# KiCad board ebaz4205.kicad_pcb (continued)
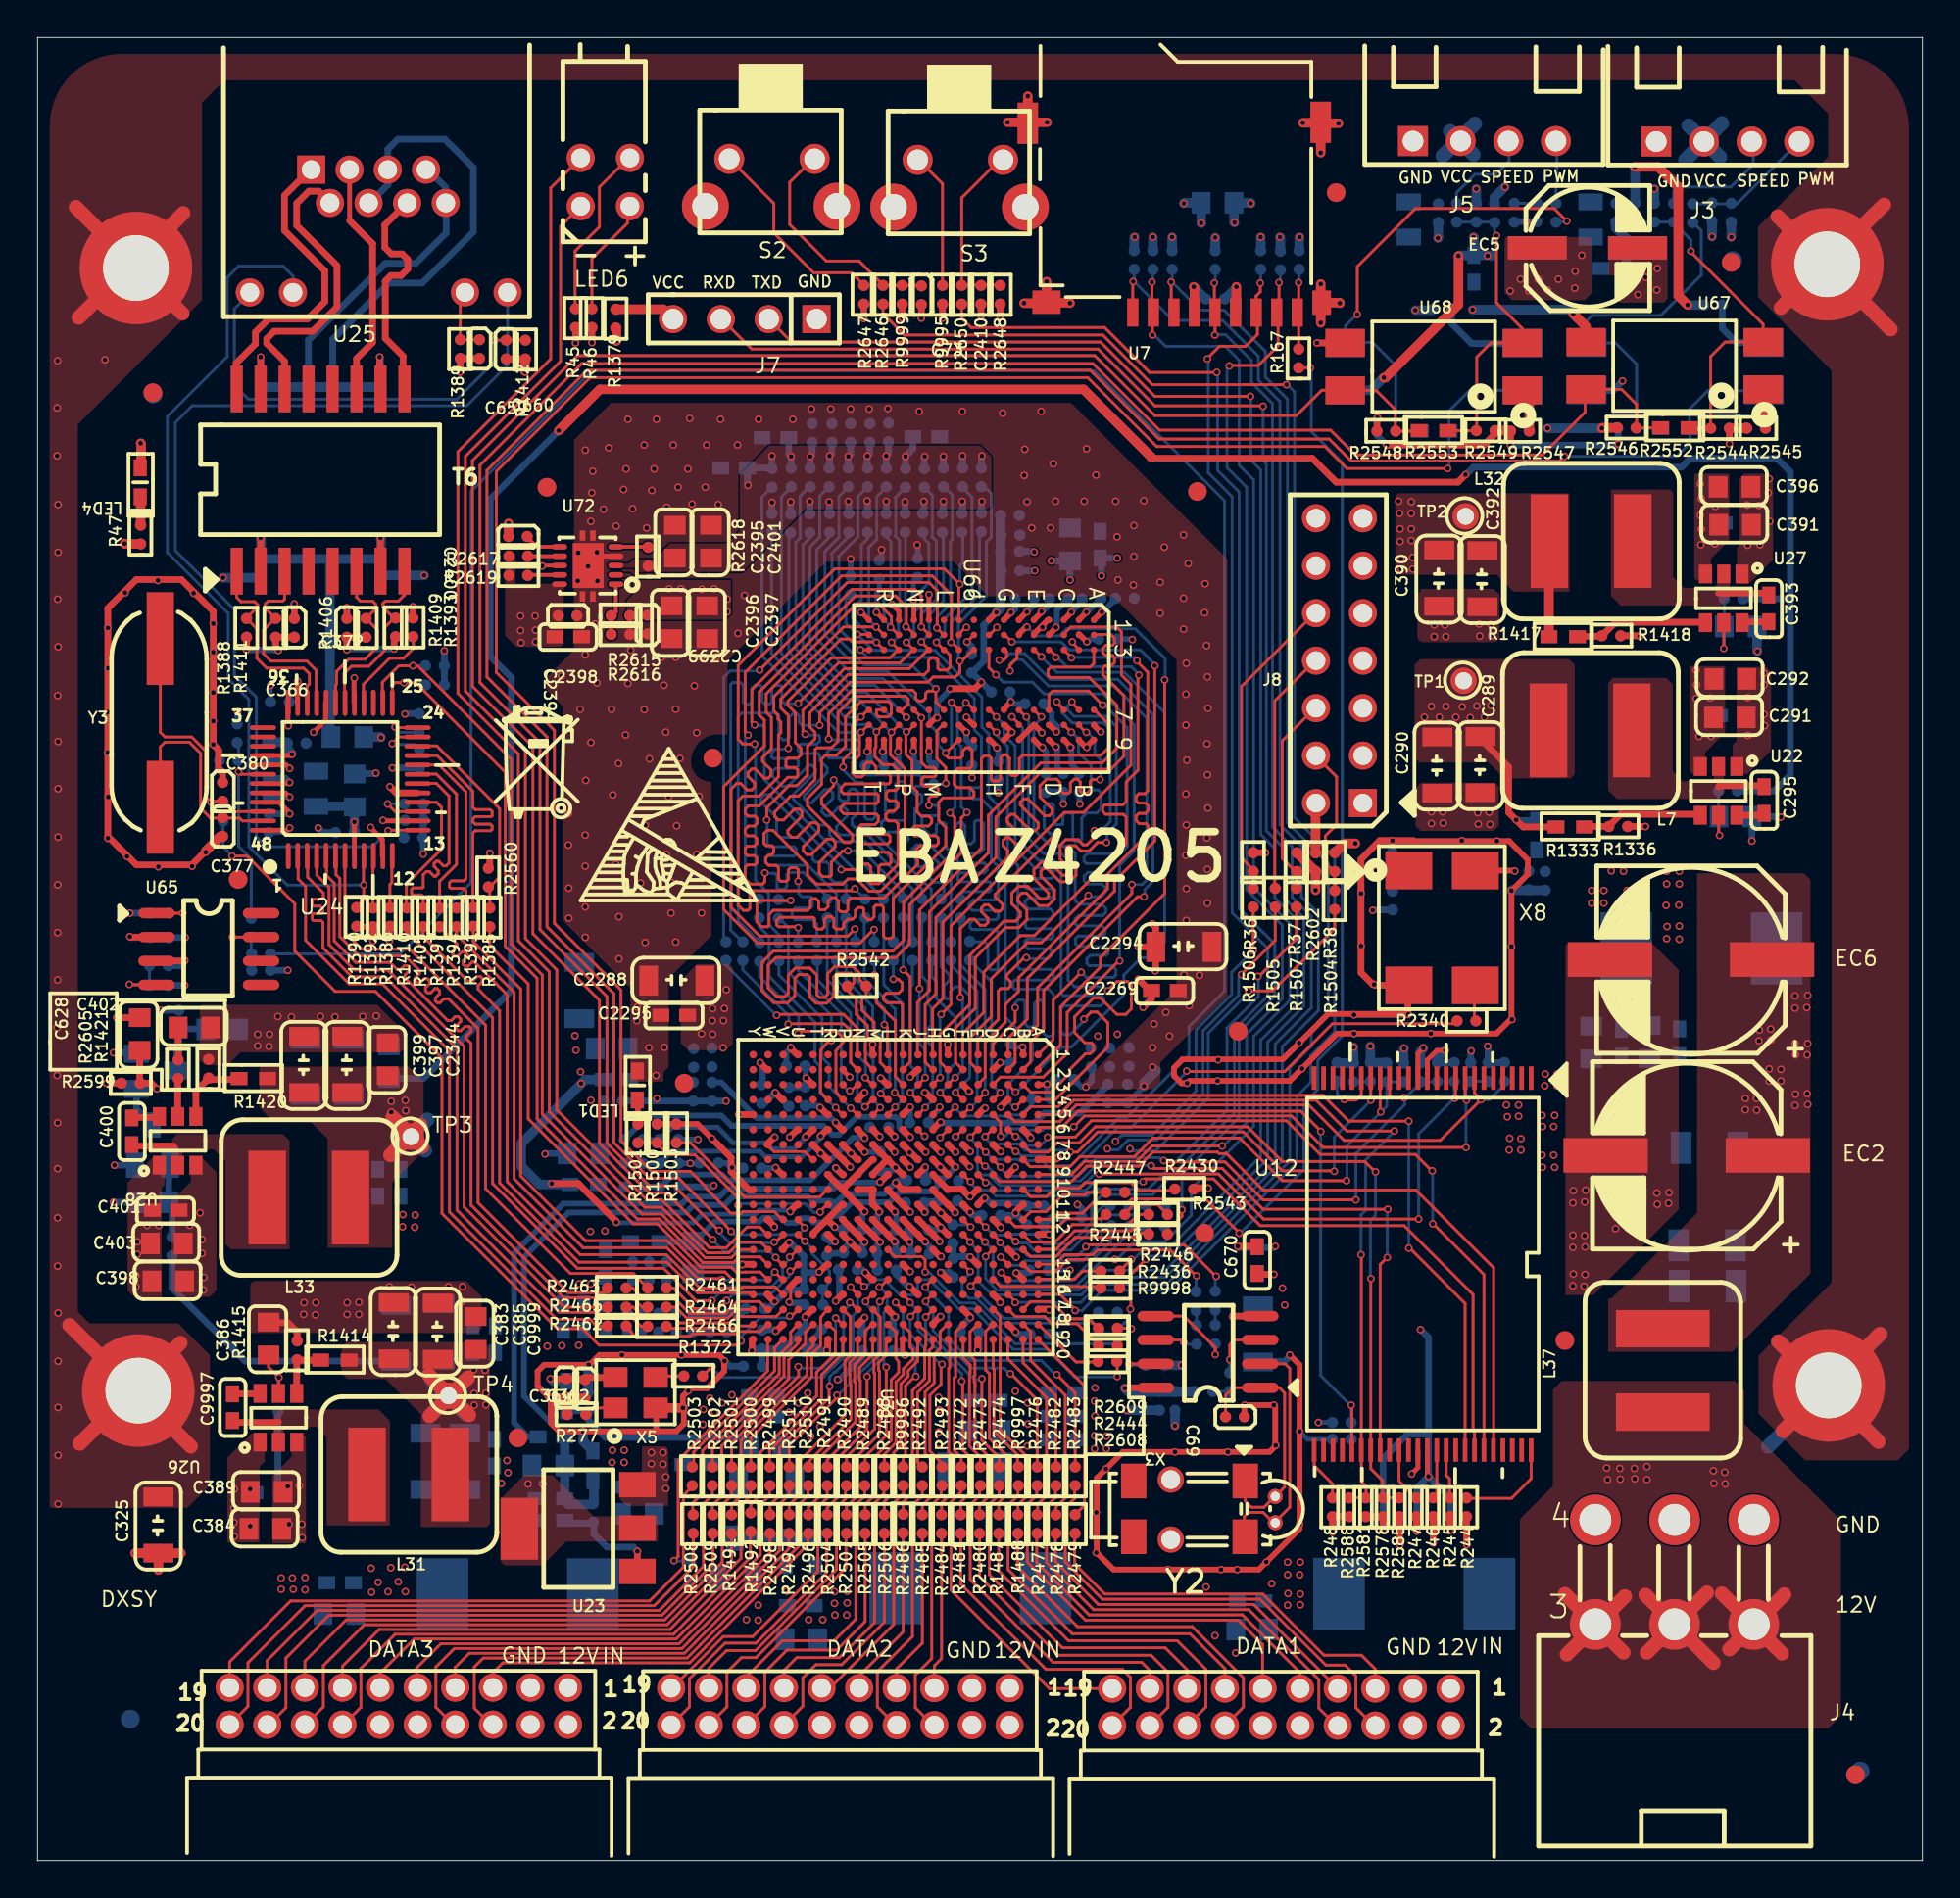
[diagram p0: board, top side]
## Nets (continued)
DDR-DQ8_0: U31.E2 U66.D7
DDR-DQ9_0: U31.E3 U66.C3
DDR-DQ10_0: U31.G3 U66.C8
DDR-DQ11_0: U31.H3 U66.C2
DDR-DQ12_0: U31.J3 U66.A7
DDR-DQ13_0: U31.H2 U66.A2
DDR-DQ14_0: U31.H1 U66.B8
DDR-DQ15_0: U31.J1 U66.A3
DDR-LDM_0: U31.A1 U66.E7
DDR-LDQS#_0: U31.B2 U66.G3
DDR-LDQS_0: U31.C2 U66.F3
DDR-ODT_0: R2513.2 R2642.1 U66.K1
DDR-RAS_0: R2532.2 R2639.1 U66.J3
DDR-RESET_0: R2645.1 U31.B4 U66.T2
DDR-UDM_0: U31.F1 U66.D3
DDR-UDQS#_0: U31.F2 U66.B7
DDR-UDQS_0: U31.G2 U66.C7
DDR-WE_0: R2534.2 R2641.1 U66.L3
IN: C291.1 C292.1 C293.2 C306.1 C307.1 C308.1 C309.1 C310.1 C319.1 C320.1 C321.1 C322.1 C323.1 C384.2 C387.1 C389.2 C391.1 C394.2 C396.1 C398.2 C401.2 C403.2 D21.1 D22.1 D23.1 D24.1 R1413.1 R1482.2 R2599.1 R2800.1 U22.3 U26.3 U27.3 U28.3
LED3_0: R1383.2 U24.13 U25.9
LED.0_0: R1390.2 U24.9 U25.11
MDC_0: R2470.2 U24.25 U31.W15
PS-DDR-A0_0: R2517.1 U31.N2
PS-DDR-A1_0: R2518.1 U31.K2
PS-DDR-A2_0: R2519.1 U31.M3
PS-DDR-A3_0: R2520.1 U31.K3
PS-DDR-A4_0: R2521.1 U31.M4
PS-DDR-A5_0: R2522.1 U31.L1
PS-DDR-A6_0: R2523.1 U31.L4
PS-DDR-A7_0: R2524.1 U31.K4
PS-DDR-A8_0: R2525.1 U31.K1
PS-DDR-A9_0: R2526.1 U31.J4
PS-DDR-A10_0: R2527.1 U31.F5
PS-DDR-A11_0: R2528.1 U31.G4
PS-DDR-A12_0: R2529.1 U31.E4
PS-DDR-A13_0: R2530.1 U31.D4
PS-DDR-A14_0: R2531.1 U31.F4
PS-DDR-BA0_0: R2514.1 U31.L5
PS-DDR-BA1_0: R2515.1 U31.R4
PS-DDR-BA2_0: R2516.1 U31.J5
PS-DDR-CAS_0: R2533.1 U31.P5
PS-DDR-CKE_0: R2536.1 U31.N3
PS-DDR-CS_0: R2535.1 U31.N1
PS-DDR-ODT_0: R2513.1 U31.N5
PS-DDR-RAS_0: R2532.1 U31.P4
PS-DDR-WE_0: R2534.1 U31.M5
REGOUT: C379.2 C382.1 L30.2 U24.8
REGOUT.0: C368.1 C371.1 C373.1 C375.1 L30.1 T6.2 T6.7
RESET.0: R2392.1 U31.C7
RESET.1: C376.1 R1401.1 R1995.1 U24.42
REST.ON_0: R2469.2 U24.26 U31.Y14
RXCLK_0: R1410.1 U31.U14
RXD0_0: R1391.1 U31.Y16
RXD1_0: R1394.1 U31.V16
RXD2_0: R1397.1 U31.V17
RXD3_0: R1405.1 U31.Y17
RXDV_0: R1385.1 U31.W16
RY/#BY_0: R1358.1 U12.7 U31.C5
TXCLK_0: R2461.1 U24.7
TXD0_0: R2463.1 U24.6
TXD1_0: R2464.1 U24.5
TXD2_0: R2465.1 U24.4
TXD3_0: R2466.1 U24.3
TXEN_0: R2462.1 U24.2
U3.A14_0: R2650.1 U31.A14
U3.A17_0: R2646.1 U31.A17
U3.A.9_0: R160.1 U7.8 U31.A9
U3.A.12_0: R167.1 U31.A12
U3.A.16_0: J7.2 R2436.2
U3.B.15_0: R164.1 U7.2 U31.B15
U3.C.17_0: R163.1 U7.3 U31.C17
U3.D.14_0: R162.1 U7.5 U31.D14
U3.E.12_0: R161.1 U7.7 U31.E12
U3.F13_0: R165.1 U7.1 U31.F13
U3.F.15_0: J7.3 R2437.1
U3.U12_0: R2554.1 U31.U12 U69.2
U3.V12_0: R2557.1 U31.V12 U70.2
U3.V13_0: R2546.2 R2552.1 U31.V13 U67.4
U3.V15_0: R2548.2 R2553.1 U31.V15 U68.4
U3.W13_0: LED6.4 U31.W13
U3.W14_0: LED6.3 U31.W14
U12-IO0_0: R2577.1 R2584.1 U12.29 U31.A6
U12-IO1_0: R2581.2 R2588.2 U12.30 U31.A5
U12-IO2_0: R2578.2 R2585.2 U12.31 U31.B7
U12-IO3_0: U12.32 U31.E8
U12-IO4_0: U12.41 U31.B5
U12-IO5_0: U12.42 U31.E9
U12-IO6_0: U12.43 U31.C6
U12-IO7_0: U12.44 U31.D9
U31-A15_0: R2438.2 U31.A15
U31-D13_0: R2439.2 U31.D13
U31-L14_0: R2609.2 U31.L14
U31-N16_0: R2608.2 U31.N16
U31-TCK_0: R37.1 U31.F9
U31-TDI_0: R1506.1 U31.G6
U31-TDO_0: R1505.1 U31.F6
U31-TMS_0: R1504.1 U31.J6
U31.W20_0: R1481.2 U31.W20
VP1_0: C664.2 C856.2 C9996.2 R2468.2 R2471.2 U23.2 U23.4 U31.L9
XOUT.0_0: R1485.1 U31.U18
Net-(C69-Pad1): C69.1 X3.1 Y2.1 Y2.8
Net-(C71-Pad2): C71.2 X3.7
Net-(C73-Pad2): C73.2 R2646.2 R9999.2 S2.3
Net-(C294-Pad2): C294.2 R2603.1 U22.5
Net-(C295-Pad1): C295.1 U22.6
Net-(C295-Pad2): C295.2 L7.2 U22.2
Net-(C304-Pad2): C304.2 J3.4 R1346.2 R1347.2
Net-(C305-Pad2): C305.2 J3.2 L9.1
Net-(C327-Pad1): C327.1 U31.J9
Net-(C333-Pad2): C333.2 J5.4 R1363.2 R1364.2
Net-(C334-Pad2): C334.2 J5.2 L11.1
Net-(C362-Pad2): C362.2 C364.2 L29.1 X5.2
Net-(C366-Pad1): C366.1 R1388.1 R1411.1
Net-(C372-Pad1): C372.1 R1406.1 R1409.1
Net-(C377-Pad2): C377.2 U24.47 Y3.1
Net-(C380-Pad1): C380.1 R1485.2 U24.46 Y3.2
Net-(C386-Pad1): C386.1 R1413.2 U26.5
Net-(C393-Pad1): C393.1 U27.6
Net-(C393-Pad2): C393.2 L32.2 U27.2
Net-(C395-Pad2): C395.2 R2604.1 U27.5
Net-(C400-Pad1): C400.1 L33.1 U28.2
Net-(C400-Pad2): C400.2 U28.6
Net-(C402-Pad1): C402.1 C626.1 R2605.2 R2800.2 U21.3
Net-(C625-Pad1): C625.1 R1373.2 U20.1
Net-(C628-Pad1): C628.1 R2599.2 U20.3 U21.1
Net-(C659-Pad2): C659.2 R1389.2 U25.10
Net-(C660-Pad2): C660.2 R1412.2 U25.12
Net-(C1985-Pad1): C1985.1 C1987.2 R2159.1 R2161.2 U31.P6
Net-(C2285-Pad2): C2285.2 C2287.2 L113.2 X8.4
Net-(C2300-Pad2): C2300.2 C2302.1 C2383.2 C2384.2 R2537.1 R2538.1 U66.H1 U66.M8
Net-(C2303-Pad1): C2303.1 C2304.2 R2458.1 R2459.2 U31.H6
Net-(C2349-Pad2): C2349.2 C2350.2 FB10.1 U31.G8
Net-(C2400-Pad2): C2400.2 U72.6
Net-(C2410-Pad2): C2410.2 R2648.2 R2650.2 S3.3
Net-(C9997-Pad1): C9997.1 L31.1 U26.2
Net-(C9997-Pad2): C9997.2 U26.6
Net-(D21-Pad2): D21.2 DATA1.1 DATA1.2
Net-(D22-Pad2): D22.2 DATA2.1 DATA2.2
Net-(D23-Pad2): D23.2 DATA3.1 DATA3.2
Net-(DATA1-Pad5): DATA1.5 R2479.1
Net-(DATA1-Pad6): DATA1.6 R2483.1
Net-(DATA1-Pad7): DATA1.7 R2478.1
Net-(DATA1-Pad8): DATA1.8 R2482.1
Net-(DATA1-Pad9): DATA1.9 R2477.1
Net-(DATA1-Pad11): DATA1.11 R2476.1
Net-(DATA1-Pad13): DATA1.13 R9997.1
Net-(DATA1-Pad14): DATA1.14 R1488.1
Net-(DATA1-Pad15): DATA1.15 R2474.1
Net-(DATA1-Pad16): DATA1.16 R1487.1
Net-(DATA1-Pad17): DATA1.17 R2473.1
Net-(DATA1-Pad18): DATA1.18 R2480.1
Net-(DATA1-Pad19): DATA1.19 R2472.1
Net-(DATA1-Pad20): DATA1.20 R2481.1
Net-(DATA2-Pad5): DATA2.5 R2484.1
Net-(DATA2-Pad6): DATA2.6 R2493.1
Net-(DATA2-Pad7): DATA2.7 R2485.1
Net-(DATA2-Pad8): DATA2.8 R2492.1
Net-(DATA2-Pad9): DATA2.9 R2486.1
Net-(DATA2-Pad11): DATA2.11 R9996.1
Net-(DATA2-Pad13): DATA2.13 R2488.1
Net-(DATA2-Pad14): DATA2.14 R2506.1
Net-(DATA2-Pad15): DATA2.15 R2489.1
Net-(DATA2-Pad16): DATA2.16 R2505.1
Net-(DATA2-Pad17): DATA2.17 R2490.1
Net-(DATA2-Pad18): DATA2.18 R2507.1
Net-(DATA2-Pad19): DATA2.19 R2491.1
Net-(DATA2-Pad20): DATA2.20 R2504.1
Net-(DATA3-Pad5): DATA3.5 R2496.1
Net-(DATA3-Pad6): DATA3.6 R2510.1
Net-(DATA3-Pad7): DATA3.7 R2497.1
Net-(DATA3-Pad8): DATA3.8 R2511.1
Net-(DATA3-Pad9): DATA3.9 R2498.1
Net-(DATA3-Pad11): DATA3.11 R2499.1
Net-(DATA3-Pad13): DATA3.13 R2500.1
Net-(DATA3-Pad14): DATA3.14 R1492.1
Net-(DATA3-Pad15): DATA3.15 R2501.1
Net-(DATA3-Pad16): DATA3.16 R1491.1
Net-(DATA3-Pad17): DATA3.17 R2502.1
Net-(DATA3-Pad18): DATA3.18 R2509.1
Net-(DATA3-Pad19): DATA3.19 R2503.1
Net-(DATA3-Pad20): DATA3.20 R2508.1
Net-(J3-Pad3): J3.3 R1345.2
Net-(J4-Pad1): J4.1 J4.3 J4.5 L37.1
Net-(J5-Pad3): J5.3 R1362.2
Net-(J7-Pad4): J7.4 R1379.2
Net-(J8-Pad2): J8.2 R2602.2
Net-(J8-Pad4): J8.4 R38.1 R1504.2
Net-(J8-Pad6): J8.6 R37.2 R1507.1
Net-(J8-Pad8): J8.8 R1505.2
Net-(J8-Pad10): J8.10 R36.1 R1506.2
Net-(LED1-Pad2): LED1.2 R1501.2
Net-(LED4-Pad2): LED4.2 R47.2
Net-(LED6-Pad1): LED6.1 R46.2
Net-(LED6-Pad2): LED6.2 R45.2
Net-(R117-Pad1): R117.1 R2440.1
Net-(R117-Pad2): R117.2 X3.3
Net-(R120-Pad1): R120.1 X3.6
Net-(R120-Pad2): R120.2 R2438.1
Net-(R122-Pad1): R122.1 X3.5
Net-(R122-Pad2): R122.2 R2439.1
Net-(R166-Pad1): R166.1 R167.2 U7.9
Net-(R244-Pad2): R244.2 U12.48
Net-(R245-Pad2): R245.2 U12.39
Net-(R246-Pad2): R246.2 U12.38
Net-(R247-Pad2): R247.2 U12.34
Net-(R248-Pad2): R248.2 U12.25
Net-(R277-Pad2): R277.2 X5.1
Net-(R1333-Pad2): R1333.2 R1336.1 U22.4
Net-(R1344-Pad1): R1344.1 R1345.1 R1348.1 R2544.1 R2552.2 U67.2
Net-(R1346-Pad1): R1346.1 R2350.2 R2554.2 U69.4
Net-(R1360-Pad1): R1360.1 U12.19
Net-(R1361-Pad1): R1361.1 R1362.1 R1365.1 R2549.1 R2553.2 U68.2
Net-(R1363-Pad1): R1363.1 R2556.2 R2557.2 U70.4
Net-(R1372-Pad1): R1372.1 X5.3
Net-(R1372-Pad2): R1372.2 U31.N18
Net-(R1381-Pad2): R1381.2 U24.15
Net-(R1384-Pad1): R1384.1 R1400.1 R1404.1 R1407.1
Net-(R1384-Pad2): R1384.2 T6.10
Net-(R1385-Pad2): R1385.2 R2560.1 U24.22
Net-(R1386-Pad2): R1386.2 U24.12
Net-(R1388-Pad2): R1388.2 T6.1 U24.34
Net-(R1391-Pad2): R1391.2 U24.21
Net-(R1392-Pad2): R1392.2 U24.10
Net-(R1393-Pad1): R1393.1 U24.28
Net-(R1394-Pad2): R1394.2 U24.20
Net-(R1396-Pad1): R1396.1 U24.24
Net-(R1397-Pad2): R1397.2 U24.19
Net-(R1400-Pad2): R1400.2 T6.15
Net-(R1401-Pad2): R1401.2 R1950.2 R2392.2 U65.7
Net-(R1404-Pad2): R1404.2 U25.4 U25.5
Net-(R1405-Pad2): R1405.2 U24.18
Net-(R1406-Pad2): R1406.2 T6.6 U24.31
Net-(R1407-Pad2): R1407.2 U25.7 U25.8
Net-(R1408-Pad2): R1408.2 U24.23
Net-(R1409-Pad2): R1409.2 T6.8 U24.30
Net-(R1410-Pad2): R1410.2 U24.16
Net-(R1411-Pad2): R1411.2 T6.3 U24.33
Net-(R1414-Pad1): R1414.1 R1415.1 U26.4
Net-(R1417-Pad2): R1417.2 R1418.1 U27.4
Net-(R1420-Pad1): R1420.1 R1421.1 U28.4
Net-(R1481-Pad1): R1481.1 U30.2
Net-(R1482-Pad1): R1482.1 R1483.1 U30.3
Net-(R1493-Pad1): R1493.1 R2512.2 U31.F11
Net-(R1494-Pad1): R1494.1 R1499.2 U31.N6
Net-(R1495-Pad1): R1495.1 R1497.2 U31.R6
Net-(R1496-Pad1): R1496.1 R1498.2 U31.T6
Net-(R1500-Pad1): R1500.1 R1501.1 U31.R11
Net-(R1502-Pad1): R1502.1 U31.L6
Net-(R1503-Pad1): R1503.1 U31.R10
Net-(R1948-Pad2): R1948.2 R1949.2 U65.4
Net-(R2336-Pad1): R2336.1 U65.1
Net-(R2340-Pad2): R2340.2 X8.3
Net-(R2389-Pad1): R2389.1 R2391.2 X8.1
Net-(R2430-Pad1): R2430.1 U31.B10
Net-(R2432-Pad1): R2432.1 R2433.1 U31.E11
Net-(R2434-Pad2): R2434.2 U31.C15
Net-(R2435-Pad2): R2435.2 U31.E16
Net-(R2436-Pad1): R2436.1 U31.A16
Net-(R2437-Pad2): R2437.2 U31.F15
Net-(R2441-Pad2): R2441.2 U31.C16
Net-(R2442-Pad2): R2442.2 U31.C13
Net-(R2443-Pad2): R2443.2 U31.E13
Net-(R2444-Pad1): R2444.1 U31.C18
Net-(R2445-Pad1): R2445.1 U31.C12
Net-(R2445-Pad2): R2445.2 R2543.2
Net-(R2446-Pad1): R2446.1 U31.B14
Net-(R2447-Pad1): R2447.1 U31.B12
Net-(R2455-Pad1): R2455.1 U66.L8
Net-(R2456-Pad1): R2456.1 U31.H5
Net-(R2457-Pad2): R2457.2 U31.G5
Net-(R2461-Pad2): R2461.2 U31.U15
Net-(R2462-Pad2): R2462.2 U31.W19
Net-(R2463-Pad2): R2463.2 U31.W18
Net-(R2464-Pad2): R2464.2 U31.Y18
Net-(R2465-Pad2): R2465.2 U31.V18
Net-(R2466-Pad2): R2466.2 U31.Y19
Net-(R2468-Pad1): R2468.1 R2487.2 U23.1
Net-(R2539-Pad2): R2539.2 U31.F12
Net-(R2540-Pad1): R2540.1 R2541.1 U31.U13
Net-(R2543-Pad1): R2543.1 U31.B13
Net-(R2545-Pad2): R2545.2 U67.1
Net-(R2547-Pad2): R2547.2 U68.1
Net-(R2551-Pad2): R2551.2 U69.1
Net-(R2605-Pad1): R2605.1 U28.5
Net-(R2608-Pad1): R2608.1 U31.A19
Net-(R2609-Pad1): R2609.1 U31.B18
Net-(R2615-Pad1): R2615.1 R2616.1 U72.1
Net-(R2617-Pad2): R2617.2 U72.7
Net-(R2618-Pad2): R2618.2 U72.5
Net-(R2619-Pad2): R2619.2 U72.9
Net-(R2647-Pad2): R2647.2 S2.4
Net-(R3555-Pad2): R3555.2 U70.1
Net-(R9995-Pad2): R9995.2 S3.4
Net-(R9998-Pad1): R9998.1 U31.D16
Net-(T6-Pad9): T6.9 U25.6
Net-(T6-Pad11): T6.11 U25.3
Net-(T6-Pad14): T6.14 U25.2
Net-(T6-Pad16): T6.16 U25.1
Net-(X3-Pad2): X3.2 Y2.2 Y2.7

Pads without a net: DATA1 10; DATA2 10; DATA3 10; J8 12 14; R2434 1; R2435 1; R2441 1; R2442 1; R2443 1; R2444 2; R2446 2; R2447 2; R9998 2; T6 4 5 12 13; U12 1 2 3 4 5 6 10 11 14 15 20 21 22 23 24 26 27 28 33 35 40 45 46 47; U24 1 27 32 37 38 39 40 41 44; U31 A7 A10 A11 B9 B17 C8 C10 C11 D10 D11 D15 E14 E17 E18 F14 F16 F17 G14 G15 G17 G18 H15 J14 J15 J16 K14 K16 L15 M14 M15 N15 P1 P3 P14 P15 P16 R1 R2 R3 R14 R16 R17 T1 T2 T4 T5 T9 T10 T11 T12 T14 T15 T16 T17 U2 U3 U4 U5 U7 U8 U9 U10 U17 V1 V2 V3 V5 V6 V7 V8 V10 V11 W1 W3 W4 W5 W6 W8 W9 W10 W11 Y1 Y2 Y3 Y4 Y6 Y7 Y8 Y9 Y11 Y12 Y13; U65 5 6 8; U66 J1 J9 L1 L9 M7; Y2 3 4

## Via types
v1: diameter 0.406, hole 0.254, Top Layer to Bottom Layer, 1242 vias

## Routing (per net, layer and track width the routed paths; a pad name or vN(x,y) marks a point on that pad's centre or on a via; arc(x,y) is an arc through that point)
GND: length 410.2
  Top Layer w0.152: 55.18,65 55.53,64.65 55.55,64.65 ; 40.18,29.89 40.18,30.59 ; 40.1,29.88 40.18,29.8 ; v1(49.58,65.03) 49.95,65.4 49.95,65.45
  Top Layer w0.203: v1(26.93,69.08) 26.95,69.1 27.83,69.1
  Top Layer w0.254: 29.85,69.6 30.83,69.6 ; v1(13.45,57.53) 13.39,57.47 12,57.47 ; v1(45.58,67.03) 45.95,66.65 45.95,66.2 ; 42.12,27.83 42.15,27.8 ; 12,58.96 13.51,58.96 v1(13.58,59.03) ; 13.86,61.78 13.86,62.91 v1(13.88,62.93) ; 47.53,67.58 v1(47.55,67.55) 47.55,66.2 ; 16.88,61.78 16.88,63.08 v1(16.9,63.1) ; v1(43.93,66.6) 43.95,66.6 44.35,66.2 ; v1(73.3,20.63) 73.64,20.96 U12.36 ; v1(17.78,55.13) 17.78,55.1 18.4,54.48 18.4,53.6 ; 12,56.47 12.88,56.47 13.45,55.9 v1(13.45,55.85) ; v1(73.93,43.35) 73.64,43.06 U12.13
  Top Layer w0.305: 51.55,66.2 51.93,66.58 v1(51.93,66.6) ; v1(53.55,66.65) 53.55,66.6 53.15,66.2 ; 55.55,66.2 55.95,66.6 v1(55.95,66.63) ; 73.4,54.43 73.43,54.4 78.5,54.4 79.5,53.4 79.5,52.63 v1(78.63,51.75) 78.63,44.93 77.83,44.13 69.33,44.13 66.8,41.6 61.45,41.6 v1(61.33,41.48) 61.03,41.48 60.63,41.88 60.63,42.3 61.08,42.75 66.43,42.75 68.85,45.18 70.15,45.18 ; 51.55,59.8 51.98,60.23 51.6,60.6 51.53,60.6 ; 49.95,60.58 49.58,60.95 49.58,61.03 ; v1(44.55,43.55) 44.53,43.53 44.53,43 ; C69.2 64.38,24.28 v1(64.4,24.3) v1(65.95,24.3) 66.03,24.23 66.03,22.1 65.73,21.8 57.9,21.8 56.5,20.4 56.5,16.43 57.4,15.53 65.15,15.53 67.33,17.7 67.33,26.45 v1(66.8,26.98) ; 52.57,43 52.57,43.38 ; v1(54.35,60.23) 54,60.58 53.95,60.58 ; 56.35,59.8 56.33,59.8 55.93,59.4 55.55,59.78 55.55,59.8 ; 53.95,66.2 53.9,66.2 53.15,65.45 ; v1(45.9,59.18) 45.92,59.18 45.93,59.18 45.93,59.78 45.95,59.8 ; 34.43,24.13 34.48,24.08 34.48,23.3 34.08,22.9 27.83,22.9 27.4,23.33 27.4,23.45 ; 52.35,59.8 53.13,60.58 53.2,60.58 53.55,60.23 ; 32.98,24.03 33.03,23.98 ; R1390.1 17.05,49.83 R1392.1 ; 27.33,24.68 26.68,25.33 26.68,26.1 27.03,26.45 29.45,26.45 29.98,26.98 36.35,26.98 36.63,26.7 36.63,26.1 35.73,25.2 34.85,25.2 34.43,24.78 v1(34.43,24.15) ; v1(47.55,59.2) 47.55,59.8 ; v1(44.25,59.18) 44.32,59.18 44.33,59.18 44.34,59.19 44.34,59.49 44.35,59.49 44.35,59.8 ; 33,22.9 33,23.98
  Top Layer w0.356: v1(17.9,49.08) R1392.1 ; 12.3,28.7 13.35,28.7 13.85,28.2 R1415.2 ; 42.12,37.41 42.12,37.43 41.34,38.21 41.32,38.21 ; v1(46.55,40.2) 46.16,39.81 46.14,39.81 ; 44.55,35.8 44.54,35.81 43.73,35.81 ; 54.43,37.53 54.31,37.41 53.38,37.41 ; R1418.2 85.45,65.35 v1(85.48,65.33) ; 46.93,37.43 46.92,37.43 46.14,38.21 ; 38.94,34.22 39.33,33.83 ; 44.53,38.21 46.13,36.61 46.14,36.61 ; 50.16,27.83 50.16,27.24 v1(50.15,27.23) ; 40.51,39.01 40.51,38.99 v1(40.13,38.6) ; 47.75,38.21 48.16,37.8 v1(48.18,37.8) ; 51.77,40.61 51.38,40.21 v1(51.38,40.2) ; 22.53,79.4 v1(22.55,79.43) R1389.1 23.55,80.15 ; v1(42.58,29.85) 42.93,30.2 42.93,30.22 ; 45.34,35.81 46.55,34.6 v1(46.55,34.6) ; v1(41,41.75) 41.32,41.44 41.32,41.4 ; v1(69.08,17.53) R248.1 R2588.1 ; C372.2 v1(16.5,66.85) ; X3.4 63.78,29.05 v1(63.75,29.03) ; 47.75,28.63 48.15,29.03 ; v1(46.53,33) 46.53,33.03 45.34,34.22 ; 39.38,28.23 39.71,28.56 39.71,28.63 ; v1(18.78,49.08) 18.78,49.85 ; 43.73,32.65 43.69,32.65 42.93,33.42 ; v1(76.25,16.85) 76.23,16.88 R244.1 ; R1393.2 v1(20.03,66.9) ; v1(50.33,82.43) C2410.1 ; C670.2 65.03,32.78 v1(64.03,32.78) ; v1(48.18,31.38) 48.2,31.38 48.55,31.02 ; 38.1,31.82 37.57,31.82 37.55,31.8 ; 24.95,80.13 R1412.1 ; 38.91,34.18 38.94,34.18 ; 27.4,23.45 27.4,24.6 v1(27.35,24.65) ; 53.95,29.43 53.95,29.42 53.38,29.42 ; 52.18,34.63 52.57,35.02 52.57,35.02 ; 70.2,45.15 v1(73.13,45.15) 73.1,45.18 73.1,46.65 X8.2 71.35,46.7 v1(71.3,46.75) 71.23,46.75 70.6,47.38 70.6,53.43 71.6,54.43 73.4,54.43 ; C366.2 v1(13.7,67.05) ; v1(37.4,39.8) 37.41,39.81 38.1,39.81 ; 43.73,37.41 43.72,37.41 43.38,37.75 43.38,37.76 42.93,38.21 ; v1(39.38,36.98) 39.38,36.95 39.71,36.61 ; v1(7.85,48.03) 7.83,48 U65.3 ; v1(68.25,80.98) U68.3 ; 41.38,33.43 41.38,33.47 42.93,35.02 ; 46.95,42.2 46.55,41.81 v1(46.55,41.8) ; v1(44.95,33) 44.94,33 43.73,34.22 ; 44.1,40.98 44.1,40.98 43.73,40.61 ; v1(49.75,37.83) 49.74,37.83 49.36,38.21 ; 8.98,53.88 8.23,53.13 5.28,53.13 3.75,54.65 3.75,66.83 5.28,68.35 7.68,68.35 9.38,66.65 v1(9.38,59.55) 9.65,59.28 9.65,58.28 v1(9.8,58.13) 9.88,58.05 C380.2 ; 44.53,36.61 44.54,36.61 45.34,37.41 ; v1(18.8,57.3) 19.14,56.97 20.25,56.97 ; 42.12,34.22 42.51,33.83 42.53,33.83 ; 51.77,32.62 52.19,32.2 v1(52.2,32.2) ; v1(74.45,16.95) R246.1 ; 46.14,31.82 46.53,31.43 v1(46.55,31.43) ; 38.91,42.2 38.55,42.56 v1(38.55,42.58) ; v1(51.35,82.4) R2648.1 ; 40.1,30.58 40.51,30.99 40.51,31.02 ; R2585.1 72.65,16.85 v1(72.68,16.83) ; 48.11,33.06 46.96,34.22 46.95,34.22 ; 47.75,35.02 48.13,34.64 48.13,34.6 48.17,34.6 48.55,34.22 ; v1(4.23,44.98) C628.2 ; 50.13,35.8 v1(49.75,35.43) 49.7,35.43 49.3,35.83 48.53,35.83 47.75,36.61 ; v1(52.15,37) 51.77,36.62 51.77,36.61 ; 24.13,52.95 v1(24.13,53.75) ; 44.95,34.63 44.53,35.05 44.53,35.81 ; 51.38,29.8 51.38,29.81 50.97,30.22 ; v1(45.75,29) 45.34,29.42 45.34,29.42 ; 42.93,36.61 42.56,36.98 42.55,36.98 ; R1336.2 v1(85.78,55.18) ; v1(47.15,82.3) C73.1 ; v1(46.13,82.3) R9999.1 ; 49.36,41.4 49.73,41.03 49.75,41.03 ; 42.15,27.25 42.15,27.8
  Top Layer w0.508: 29.23,24.68 27.38,24.68 v1(27.35,24.65) ; C377.1 9.75,54.65 8.98,53.88 ; v1(6.45,15.5) C325.1 ; C325.1 v1(7.65,16.4) ; C325.1 v1(5.2,16.4) ; U7.11 68.5,92.7 v1(69.4,92.7) ; U7.11 68.43,92.73 v1(67.5,92.73) ; U7.11 v1(68.45,91.13) ; v1(5.5,75.63) 5.53,75.6 5.53,74.28 ; U7.12 52.88,92.75 v1(53.85,92.75) ; U7.12 52.78,92.75 v1(51.75,92.75) ; U7.12 v1(52.83,94.15) ; 28.23,24.68 28.25,24.65 R277.1 ; v1(52.63,83.1) 53.8,83.1 53.83,83.13 ; 53.83,83.13 55.05,83.13 v1(55.08,83.1) ; 53.83,83.13 v1(53.83,84.25) ; v1(63.95,83.98) 63.95,82.64 U7.6 ; X5.4 v1(34.43,24.15) ; U7.10 68.45,83.08 v1(68.45,82.05) ; U7.10 68.45,83.18 v1(68.45,84.13) ; U7.10 69.45,83.13 v1(69.48,83.1) ; U67.3 82.6,81.85 v1(81.93,82.53) ; 26,79.48 26,80.1 R1412.1 ; C2400.1 v1(25.13,71.35)
  Bottom Layer w0.254: C2293.2 52.08,43.4 v1(52.55,43.4) ; 69.03,22.48 67.75,22.48 v1(67.33,22.9) ; C367.2 v1(12.43,62.7) ; C674.1 v1(55.08,31.5)
  Bottom Layer w0.305: C2372.2 53.85,57.05 54.65,57.05 ; C2346.2 46.58,33.58 46.6,33.6 ; v1(46.93,70.2) 46.95,70.18 C2376.2 ; C2299.1 40.98,42.38 40.98,41.35 40.88,41.25 C2280.2 ; v1(59.03,41.33) 59.03,41.3 R2459.1 C2304.1 ; C2350.1 49.13,36.05 49.63,35.55 ; v1(45.03,69.95) 45.03,69.5 C2382.2 ; C2369.2 52.15,66.75 51.95,66.55 ; 45.9,58.5 45.93,58.53 45.93,59.18 45.92,59.18 v1(45.9,59.18) ; C668.1 39.4,36.95 39.43,36.98 ; v1(47.55,59.2) 47.55,58.68 R2455.2 ; v1(49.85,57.78) C2368.2 ; v1(51.25,56.98) C2378.2 ; v1(58.4,65.15) 58.38,65.18 C2373.1 ; R2645.2 v1(43.38,69.45) ; R1497.1 v1(34.83,37.2) 35.15,37.2 35.18,37.18 ; C2347.1 45.65,36.83 45.75,36.93 ; v1(54.73,56.38) C2367.2 ; C671.1 55.7,34.83 55.48,35.05 ; C2342.2 44.8,34.45 44.9,34.55 ; 53.6,66.63 53.98,67 C2371.2 ; 56.68,67.3 56,66.63 v1(55.95,66.63) ; C2291.1 55.7,41.28 v1(55.93,41.28) 56.25,41.6 56.25,42.35 ; 54.4,60.3 54.4,60.53 54.1,60.83 54.1,61.23 53.68,61.65 C2250.1 ; C2379.2 55.58,56.4 v1(55.6,56.38) ; 46.53,40.1 46.58,40.15 ; 46.55,39.35 46.55,40.08 ; R1498.1 v1(35.23,38.48)
  Bottom Layer w0.356: C2323.1 54.8,28.08 54.83,28.1 ; C2310.2 36.93,26.38 v1(36.65,26.65) ; v1(93,55.68) 92.98,55.7 C294.1 v1(91.45,54.4) ; 35.23,31.48 35.5,31.75 37.55,31.75 v1(37.6,31.8) ; 40.88,29.6 40.73,29.75 40.18,29.75 ; 34.93,29.2 37.53,29.2 C2313.2 ; v1(4.05,35.13) C625.2 ; 52.85,33.9 52.8,33.9 52.18,34.53 ; 38.75,28.33 39.3,28.33 v1(39.38,28.25) ; v1(44.95,33) 44.8,32.85 C2320.2 ; 13.48,57.5 13.23,57.75 C370.2 ; v1(64.03,32.78) 64.1,32.7 65.95,32.7 v1(66.03,32.78) ; C2296.2 38.68,41.45 38.68,42.45 v1(38.55,42.58) ; v1(52.18,34.55) 52.05,34.43 R2512.1 ; v1(27.08,37.7) 27.1,37.73 C663.2 ; v1(14.98,55.1) 15.23,54.85 C382.2 ; C2314.2 44,26.88 42.78,25.65 ; v1(49.58,65.03) 49.83,64.78 49.83,64.3 ; v1(4.1,37.1) U20.2 ; v1(42.53,33.8) 42.97,33.67 ; v1(48.18,31.38) 48.65,31.38 48.83,31.2 ; C374.2 v1(13.45,55.85) 13.48,55.83 ; 44.38,59.08 44.38,58.65 C2374.2 ; C376.2 9.7,59.23 v1(9.38,59.55) ; v1(42.58,29.85) 42.78,30.05 42.78,31.48 C2318.2 ; 65.15,26.63 66.53,26.63 66.83,26.93 ; v1(76.48,43.2) 76.45,43.18 R2590.2 ; C379.1 16.95,58 18,58 ; 42.98,32.45 42.93,32.4 42.23,32.4 C2334.1 ; 7.88,47.98 7.65,47.75 R1949.1 ; v1(50.15,27.23) 50.23,27.3 C2322.1 ; R1396.2 19.63,61.2 v1(19.6,61.18) ; R2389.2 72.25,54.4 ; C1887.2 v1(7.88,49.25) ; 41.8,28.23 41.3,27.73 41.3,27.3 C2309.1 42.18,27.23 ; v1(4.05,43.1) 5.23,43.1 U21.2 ; v1(20.58,53.7) R1381.1 ; 43.33,32.95 43,32.63 C2326.2 ; 45.8,29.03 45.65,28.88 C2317.1 ; R1499.1 36,35.95 v1(36.08,36.03) ; v1(36.73,40.53) R2161.1 C672.1 ; C2354.2 46.3,34.88 46.53,34.65
  Bottom Layer w0.508: C363.1 29.38,26.4 29.4,26.43 ; 71.95,42.58 R2586.2 v1(71.1,43.45) ; C2285.1 78.65,51.78 v1(78.63,51.75) ; C395.1 91.73,64.55 v1(91.75,64.53) ; v1(81.93,82.53) 81.7,82.75 v1(76.55,82.75) ; R2598.2 73.78,43.18 73.93,43.33 ; 59.69,42.16 59.03,41.5 59.03,41.3 ; v1(9.9,68.45) C375.2 ; 63.9,83.88 63.35,83.33 C94.1 ; v1(64.73,88.43) 64.7,88.45 C93.1 63.83,87.43 v1(63.85,87.4) ; C371.2 18.3,59.95 v1(18.33,59.93) ; 29.1,22.85 29.1,22.38 FB14.1 ; C369.2 13.25,59.68 13.3,59.63 13.3,59.33 13.55,59.08 ; v1(58.13,24.03) C538.2 ; C373.2 v1(20.63,68.58) ; C71.1 v1(61.03,26.43)
  vias: v1(3.75,65.78) v1(3.78,63.63) v1(3.75,61.28) v1(3.75,59.13) v1(3.78,56.75) v1(3.75,54.55) v1(4.68,67.65) v1(4.78,53.58) v1(5.33,33.02) v1(5.33,32.34) v1(5.25,31.22) v1(5.25,30.62) v1(5.85,33.89) v1(6.43,68.3) v1(6.45,53.03) v1(6.48,33.89) v1(8.25,53.05) v1(8.33,67.63) v1(8.98,53.8) v1(9.38,66) v1(9.38,64.48) v1(9.38,62.33) v1(9.38,60.8) v1(10.5,19.82) v1(10.47,18.8) v1(10.47,18.05) v1(10.5,17.3) v1(11.35,19.82) v1(11.35,17.85) v1(11.75,44.09) v1(11.75,43.47) v1(12.37,44.09) v1(12.35,43.44) v1(12.82,45.04) v1(13,15.07) v1(13,14.47) v1(13.55,45.01) v1(13.6,15.07) v1(13.65,14.47) v1(14.22,29.77) v1(14.2,29.14) v1(14.27,15.1) v1(14.27,14.45) v1(14.82,29.12) v1(14.85,29.77) v1(15.1,45.04) v1(15.87,45.01) v1(16.52,29.77) v1(16.52,29.14) v1(17.15,29.79) v1(17.15,29.14) v1(17.35,45.04) v1(18.05,58.03) v1(18.07,45.06) v1(18.77,30.62) v1(19.5,34.47) v1(19.47,33.82) v1(19.95,30.59) v1(20.12,33.79) v1(20.15,34.44) v1(21.92,30.62) v1(22.67,30.62) v1(22.65,29.84) v1(24.75,20.12) v1(25.05,21.35) v1(25.1,20.7) v1(26,79.43) v1(27.94,63.21) v1(28.32,55.86) v1(28.32,54.19) v1(28.34,51.89) v1(28.34,50.29) v1(28.82,68.28) v1(28.84,69.78) v1(28.89,30.77) v1(28.94,61.44) v1(29.1,22.9) v1(29.22,75.26) v1(29.22,64.33) v1(29.22,54.71) v1(29.22,53.06) v1(29.22,50.89) v1(29.22,49.26) v1(29.24,57.64) v1(29.37,69.06) v1(29.4,26.45) v1(29.52,71.46) v1(29.52,59.66) v1(29.52,30.77) v1(29.62,74.13) v1(29.57,72.98) v1(29.74,65.98) v1(29.84,69.81) v1(29.87,68.28) v1(29.84,62.84) v1(30.19,72.11) v1(30.47,75.38) v1(30.62,61.44) v1(30.69,56.86) v1(30.67,21.9) v1(30.64,21.25) v1(30.87,71.21) v1(30.84,53.16) v1(30.99,58.54) v1(31.02,50.36) v1(31.02,48.11) v1(31.18,26.98) v1(31.27,73.16) v1(31.29,21.9) v1(31.29,21.25) v1(31.39,74.26) v1(31.37,60.06) v1(31.49,76.91) v1(31.49,62.81) v1(31.64,64.58) v1(31.74,72.13) v1(31.99,45.54) v1(31.97,44.81) v1(32.17,52.16) v1(32.37,75.53) v1(32.37,61.41) v1(32.42,55.24) v1(32.42,48.99) v1(32.49,71.11) v1(32.62,43.37) v1(32.64,58.79) v1(32.77,73.11) v1(32.89,74.26) v1(33.02,76.91) v1(32.99,41.89) v1(33.04,40.67) v1(33.29,64.21) v1(33.42,62.71) v1(33.52,60.21) v1(33.44,43.39) v1(33.57,72.21) v1(33.54,53.69) v1(33.67,56.76) v1(33.82,52.19) v1(33.79,50.56) v1(33.92,75.53) v1(34.04,64.21) v1(34.04,61.44) v1(34.09,55.21) v1(34.04,49.01) v1(34.17,73.28) v1(34.27,58.81) v1(34.35,26.98) v1(34.69,74.26) v1(34.71,25.06) v1(34.79,76.96) v1(34.92,72.38) v1(35.04,62.69) v1(35.17,60.19) v1(35.17,53.69) v1(35.29,56.79) v1(35.42,64.21) v1(35.42,50.56) v1(35.62,73.28) v1(35.69,75.53) v1(36.22,64.23) v1(36.32,72.36) v1(36.44,76.91) v1(37.34,75.53) v1(37.37,65.48) v1(37.72,67.51) v1(37.82,12.85) v1(38.47,76.91) v1(38.44,13.62) v1(38.44,12.82) v1(39.3,33.8) v1(39.97,14.37) v1(40.1,29.8) v1(40.09,23.92) v1(40.29,76.91) v1(40.59,24.42) v1(41.09,24.94) v1(41.29,77.46) v1(41.24,22.65) v1(41.78,37.73) v1(41.74,23.15) v1(42.1,27.23) v1(42.32,77.46) v1(42.6,36.95) v1(42.68,25.67) v1(43.37,77.46) v1(43.4,37.73) v1(43.35,33) v1(44.13,40.98) v1(44.37,77.46) v1(44.9,34.6) v1(45.37,77.48) v1(45.78,36.98) v1(46.53,37.78) v1(47.04,77.33) v1(48.06,24.72) v1(48.11,24.05) v1(48.09,22.87) v1(48.09,22.25) v1(48.2,34.55) v1(48.13,33.03) v1(48.18,29.03) v1(49.34,77.33) v1(49.55,61) v1(49.68,41.05) v1(51.35,29.78) v1(51.49,77.23) v1(51.98,60.2) v1(52.66,75.31) v1(52.64,73.91) v1(52.79,72.51) v1(53.04,71.11) v1(53.54,77.33) v1(53.61,65.81) v1(53.58,60.18) v1(53.95,29.38) v1(54.04,71.11) v1(54.19,74.53) v1(54.31,72.53) v1(54.45,37.5) v1(54.85,28.08) v1(55.2,65.03) v1(55.48,35) v1(55.84,72.53) v1(55.96,75.33) v1(55.98,59.4) v1(56.41,25.22) v1(56.39,24.52) v1(56.41,23.72) v1(56.46,73.93) v1(56.48,18.58) v1(56.48,16.43) v1(57,20.9) v1(57.51,72.53) v1(57.59,70.63) v1(57.64,68.33) v1(58.49,71.23) v1(58.49,69.58) v1(58.46,68.06) v1(59.01,72.56) v1(59.49,43.37) v1(59.49,42.34) v1(59.56,44.64) v1(59.89,68.21) v1(59.89,66.56) v1(60.11,70.08) v1(60.19,45.26) v1(60.3,15.53) v1(60.39,43.99) v1(60.68,21.8) v1(61.14,70.73) v1(61.14,67.36) v1(61.14,65.71) v1(61.16,47.26) v1(61.29,63.88) v1(61.26,62.24) v1(61.26,60.59) v1(61.31,58.71) v1(61.26,56.91) v1(61.29,55.26) v1(61.26,53.64) v1(61.29,51.86) v1(61.29,50.16) v1(61.39,69.21) v1(61.44,45.61) v1(61.99,47.24) v1(62.29,68.13) v1(62.26,66.58) v1(62.36,64.83) v1(62.41,63.16) v1(62.39,59.59) v1(62.41,57.94) v1(62.39,54.56) v1(62.41,52.89) v1(62.41,51.09) v1(62.34,14.6) v1(62.44,61.49) v1(62.44,56.16) v1(62.81,12) v1(62.98,42.73) v1(62.95,41.6) v1(63.13,15.53) v1(63.5,21.8) v1(63.91,11.07) v1(64,15.53) v1(65.56,15.93) v1(66.05,22.15) v1(67.3,43.62) v1(67.33,17.95) v1(67.46,42.26) v1(70.23,45.13) v1(70.23,44.13) v1(70.6,51.6) v1(70.6,48.8) v1(72.28,54.43) v1(74.36,55.96) v1(74.36,55.34) v1(74.33,44.13) v1(74.51,65.93) v1(74.51,65.31) v1(74.96,55.96) v1(74.98,55.36) v1(75.08,65.93) v1(75.13,65.31) v1(75.98,54.43) v1(76.91,65.98) v1(76.83,55.91) v1(76.86,55.31) v1(76.93,65.33) v1(77.43,55.94) v1(77.48,55.29) v1(77.53,65.96) v1(77.56,65.36) v1(77.85,54.4) v1(78.36,40.32) v1(78.41,39.69) v1(78.51,37.92) v1(78.53,38.54) v1(78.63,48.78) v1(78.65,44.88) v1(79.01,40.32) v1(79.01,39.72) v1(79.13,38.52) v1(79.13,37.92) v1(80.26,39.77) v1(80.28,39.17) v1(80.26,37.64) v1(80.28,36.99) v1(80.41,41.34) v1(80.43,41.97) v1(80.88,39.17) v1(80.88,37.64) v1(80.93,39.77) v1(80.93,36.99) v1(81.06,41.97) v1(81.06,41.34) v1(91.2,72.33) v1(91.23,70.18) v1(91.23,62.06) v1(91.23,60.04) v1(91.83,72.31) v1(91.88,70.21) v1(92.1,63.36) v1(92.1,62.74) v1(92.1,61.16) v1(92.13,60.56) v1(92.38,73.73) v1(92.33,72.98) v1(92.4,71.46)